# Altium PCB Power_board.PcbDoc (continued)
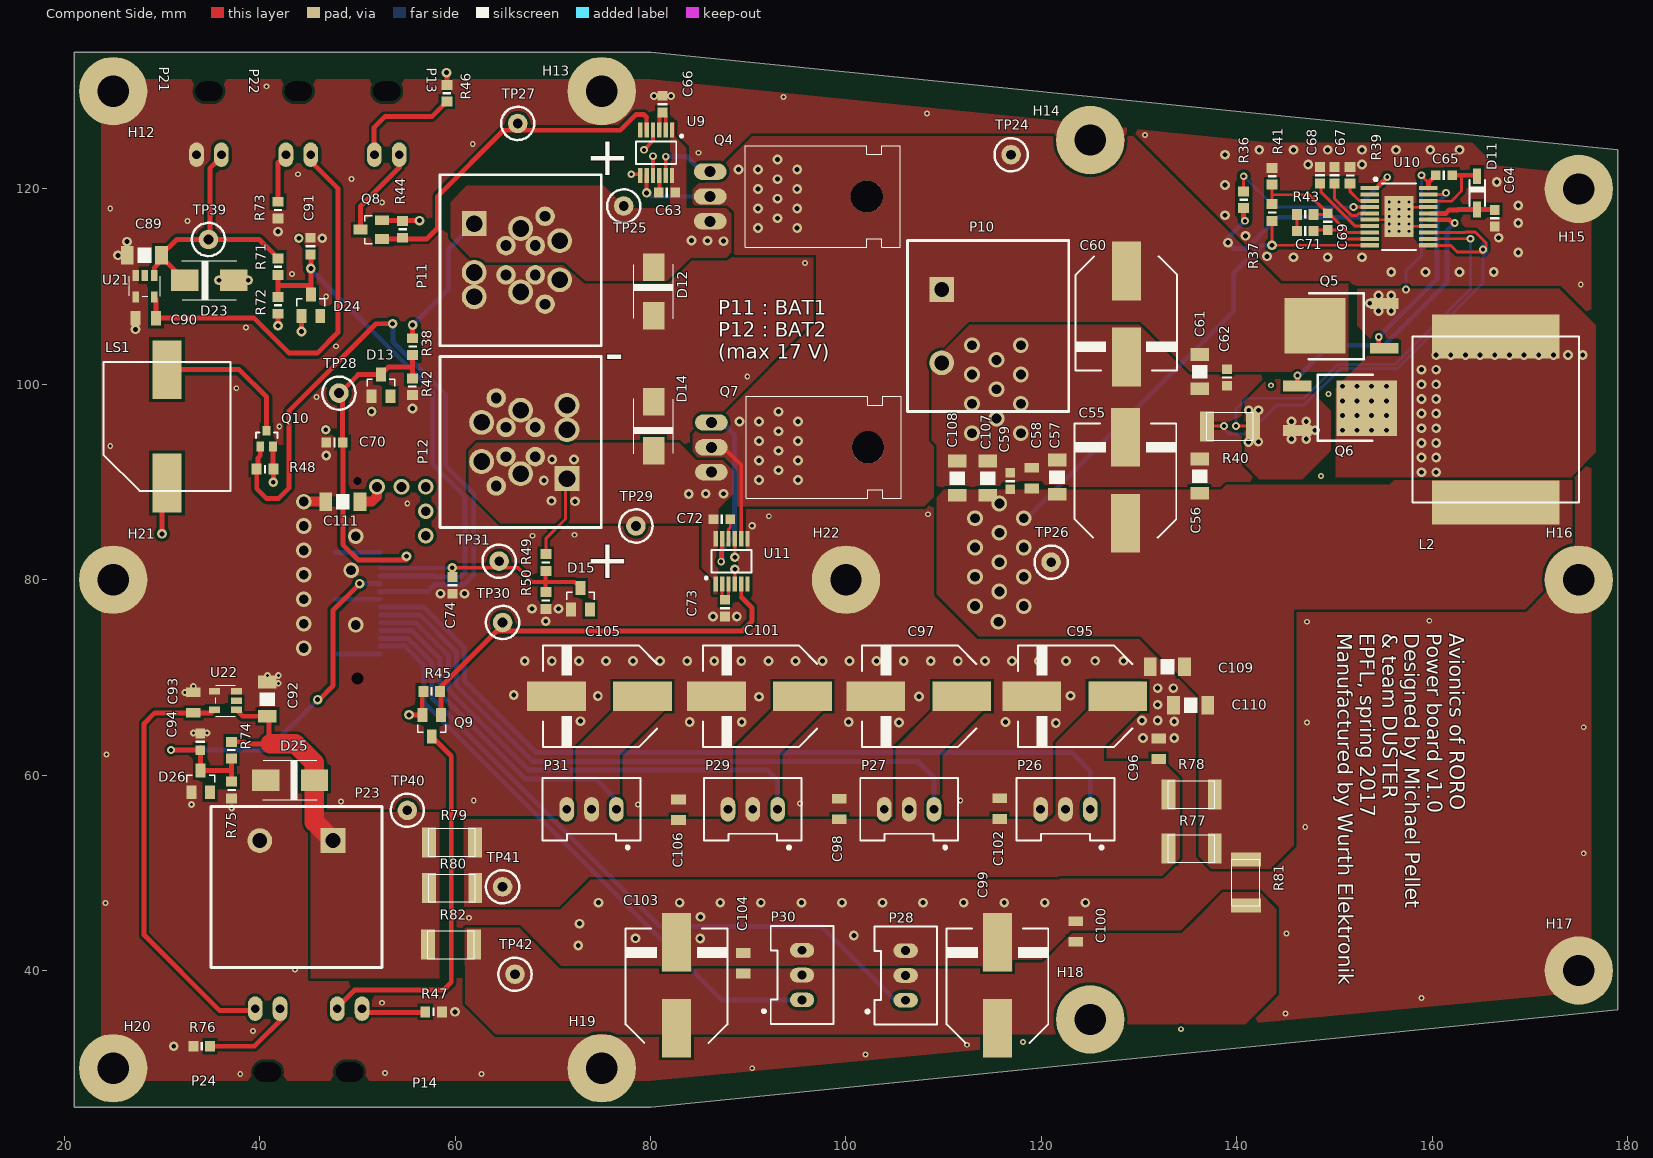
[diagram p0: Component Side view]
## Footprints (in the part's own frame and the unit in brackets; to place one, negate y for a bottom-side part, rotate by r counter-clockwise, add the part's x,y. Pads: shape width x height; smd on the part's side, far side on the other; paste and mask are expansions set on the pad)
0603 [mil]
  rect 40x44 smd: 1(-33.46,0) 2(34,0)
  silkscreen extent -4,-17 5,17, body extent -33,-16 33,16, height 22
2010 [mil]
  rect 56x121 smd: 1(-92.52,0) 2(93,0)
  silkscreen extent -94,-56 94,56, body extent -98,-49 98,49, height 24
61083-043400LF [mm] "Connecteurs carte à carte et mezzanine 6.70MM PLUG 40P"
  round 0 hole 0.8 unplated: 1(-10.1,0)
  rect 0.5x2.7 smd: 1(-7.6,2.3) 2(-7.6,-2.3) 3(-6.8,2.3) 4(-6.8,-2.3) 5(-6,2.3) 6(-6,-2.3) 7(-5.2,2.3) 8(-5.2,-2.3) 9(-4.4,2.3) 10(-4.4,-2.3) 11(-3.6,2.3) 12(-3.6,-2.3) 13(-2.8,2.3) 14(-2.8,-2.3) 15(-2,2.3) 16(-2,-2.3) 17(-1.2,2.3) 18(-1.2,-2.3) 19(-0.4,2.3) 20(-0.4,-2.3) 21(0.4,2.3) 22(0.4,-2.3) 23(1.2,2.3) 24(1.2,-2.3) 25(2,2.3) 26(2,-2.3) 27(2.8,2.3) 28(2.8,-2.3) 29(3.6,2.3) 30(3.6,-2.3) 31(4.4,2.3) 32(4.4,-2.3) 33(5.2,2.3) 34(5.2,-2.3) 35(6,2.3) 36(6,-2.3) 37(6.8,2.3) 38(6.8,-2.3) 39(7.6,2.3) 40(7.6,-2.3)
  round 0 hole 1.2 unplated: 1(10.1,0)
  silkscreen extent -11,-3 11,3.6, body extent -10.9,-3 10.9,3, height 6.65
CAP0603R [mm] "capacitor 0603 reflow soldering"
  rect 1x1 smd: 1(-0.85,0) 2(0.85,0)
  silkscreen extent -0.13,-0.5 0.13,0.5, body extent -0.8,-0.4 0.8,0.4, height 0.3
CAP0805W [mm] "capacitor 0805 wave soldering"
  rect 1x1.5 smd: 1(-1.05,0) 2(1.05,0)
  body extent -1,-0.63 1,0.63, height 0.78
CAP1206W [mm] "capacitor 1206 wave soldering"
  rect 1.3x1.9 smd: 1(-1.75,0) 2(1.75,0)
  silkscreen extent -0.7,-0.8 0.7,0.8, body extent -1.6,-0.8 1.6,0.8, height 1
"CON 2P POWER AND MICROFIT 4P" [mm]
  round 2 hole 1.1: 1(-4.5,2.5) 1(-1.5,1.5) 1(-1.5,-1.5) 2(1.5,1.5) 2(1.5,-1.5) 2(4.5,2.5)
  rect 2.54x2.54 hole 1.7: 1(-3.75,-4.75)
  round 2.54 hole 1.7: 1(-3.25,0) 1(-2,4) 2(1.25,-4.75) 2(2,4) 2(3.25,0) 2(3.75,-4.75)
  silkscreen extent -8.75,-8.25 8.75,8.25, body extent -5.07,-3.97 5.08,4.8, height 9.95
"CON PROV 2P POWER" [mil]
  rect 100x100 hole 60: 1(0,0)
  round 100 hole 60: 2(295.28,0)
  silkscreen extent -197,-138 492,512
"CON_JST_XA_ B03B-XASK" [mm] "Embases Hdr Singl Row 3Ckt 3A"
  oval 1.5x2.5 hole 0.9: 1(-2.54,0) 2(0,0) 3(2.54,0)
  silkscreen extent -5,-3.2 5,4, body extent -5,-3.2 5,3.2, height 8.8
"CON_JST_XA_ S02B-XASS-1" [mm] "Embases Hdr Singl Row 2Ckt 3A"
  oval 1.5x2.5 hole 0.9: 1(-1.27,0) 2(1.27,0)
  round 0 hole 2 slot 2.8 at 0 deg unplated: ""(0,-6.5)
  body extent -3.75,-9.2 3.75,3.4, height 7.6
CT-1205C-SMT [mm]
  rect 3x6 smd: 1(0,5.8) 2(0,-5.8)
  silkscreen extent -6.5,-6.6 6.5,6.6, body extent -6.4,-6.9 6.4,6.9, height 10.1
DO-214AA [mm]
  rect 2.8x2.2 smd: A(2.5,0) C(-2.5,0)
  silkscreen extent -2.8,-2 2.8,2, body extent -2.75,-1.95 2.75,1.95, height 2.45
HOLE_3.2MM#1 [mm]
  round 7 hole 3.2: 0(2.375,1.075)
HOLE_3.2MM#2 [mm]
  round 7 hole 3.2: 0(0,-0.325)
HOLE_3.2MM#3 [mm]
  round 7 hole 3.2: 0(0,-5.075)
HOLE_3.2MM#4 [mm]
  round 7 hole 3.2: 0(-8.3,-9.65)
HOLE_3.2MM#5 [mm]
  round 7 hole 3.2: 0(-0.4,0.2)
HOLE_3.2MM#6 [mm]
  round 7 hole 3.2: 0(-5.4,18.125)
HOLE_3.2MM#7 [mm]
  round 7 hole 3.2: 0(-0.175,4.775)
HOLE_3.2MM#8 [mm]
  round 7 hole 3.2: 0(1.075,0.275)
HOLE_3.2MM#9 [mm]
  round 7 hole 3.2: 0(2.4,7.4)
HOLE_3.2MM#10 [mm]
  round 7 hole 3.2: 0(2.825,3.775)
HOLE_3.2MM#11 [mm]
  round 7 hole 3.2: 0(3.25,2.9)
"HTSSOP 20" [mm]
  rect 0.42x1.9 smd: 1(-2.935,-3) 2(-2.275,-3) 3(-1.614,-3) 4(-0.979,-3) 5(-0.319,-3) 6(0.316,-3) 7(0.977,-3) 8(1.637,-3) 9(2.272,-3) 10(2.932,-3) 11(2.932,3) 12(2.272,3) 13(1.637,3) 14(0.977,3) 15(0.316,3) 16(-0.319,3) 17(-0.979,3) 18(-1.614,3) 19(-2.275,3) 20(-2.935,3)
  round 0.6 hole 0.3: 21(-1.5,1) 21(-1.5,0) 21(-1.5,-1) 21(-0.75,1) 21(-0.75,0) 21(-0.75,-1) 21(0,1) 21(0,0) 21(0,-1) 21(0.75,1) 21(0.75,0) 21(0.75,-1) 21(1.5,1) 21(1.5,0) 21(1.5,-1)
  rect 4.2x3 smd: 21(0,0)
  silkscreen extent -3.97,-2.54 3.4,1.75, body extent -3.27,-3.2 3.23,3.22, height 0.95
IHLP_INDUCTOR [mm]
  rect 13x4.5 smd: 1(0,8.5) 2(0,-8.5)
  silkscreen extent -8.5,-8.5 8.5,8.5, body extent -8.57,-8.64 8.57,8.64, height 4.06
PCV_10X10 [mm] "PCV_10x10"
  rect 3x6 smd: 1(0,4.4) 2(0,-4.4)
  silkscreen extent -5.3,-5.8 5.2,5.9, body extent -5.25,-5.9 5.25,5.9, height 10.3
SOD123 [mil]
  rect 63x32 smd: 1(-66.93,0) 2(67,0)
  silkscreen extent -52,-31 53,31, body extent -73,-32 73,31, height 50
SOT23 [mil]
  rect 40x56 smd: 1(-37.4,-43.31) 2(38,-43.31) 3(0,44)
  silkscreen extent -56,-3 56,26, body extent -59,-59 59,59, height 51
SOT-23-5 [mil]
  rect 26x44 smd: 1(-37.4,-43.31) 2(0,-43.31) 3(38,-43.31) 4(38,44) 5(-37.4,44)
  silkscreen extent -62,-39 63,40, body extent -59,-49 59,49, height 44
SOT-323-3 [mm]
  rect 0.8x1 smd: 1(-0.65,-0.8) 2(0.65,-0.8) 3(0,0.8)
  silkscreen extent -1.1,0.05 1.1,0.6, body extent -1.1,-1.12 1.1,1.12, height 1.1
TO220 [mil]
  oval 66x132 hole 44: 1(-100,-190.94) 2(0,-190.94) 3(100,-190.94)
  round 130 hole 130: 2(0,440)
  silkscreen extent -205,-50 205,575, body extent -200,-201 200,567, height 165
TO252 [mm]
  rect 5.7x6.2 smd: D(0,2.6)
  rect 1.1x2.9 smd: G(-2.286,-4.5) S(2.286,-4.5)
  silkscreen extent -3.42,-2.4 3.32,3.22, body extent -3.31,-5.15 3.26,4.55, height 2.3
TP [mm]
  round 2 hole 1: 1(0,0)
  silkscreen extent -1.7,-1.7 1.7,1.7
TSOP612 [mm] "TSOP, 12-Leads, Body 4.00x3.00mm, Pitch 0.65mm, IPC Low Density"
  rect 1.55x0.44 smd: 1(-2.325,1.625) 2(-2.325,0.975) 3(-2.325,0.325) 4(-2.325,-0.325) 5(-2.325,-0.975) 6(-2.325,-1.625) 7(2.325,-1.625) 8(2.325,-0.975) 9(2.325,-0.325) 10(2.325,0.325) 11(2.325,0.975) 12(2.325,1.625)
  silkscreen extent -1.82,-2.05 1.15,2.73, body extent -2.45,-2.02 2.45,2.02, height 1.1

## Part data
C55 C60 C95 C97 C99 C101 C103 C105: library part C_pol_470uF_elec, "Polarized Capacitor"
C56 C57 C61 C89 C92 C107 C108 C109 C110 C111: library part C_47uF_25v_1206, "Capacitor"
C58 C96 C98 C100 C102 C104 C106: library part C_10uF_16v, "Capacitor"
C59 C62 C63 C66 C70 C72 C73 C74 C91 C94: library part C_100nF, "Capacitor"
C64 C65: library part C_1uF_50v, "Capacitor"
C67: library part C_560pF_50V, "Capacitor"
C68 C71: library part C_10nF, "Capacitor"
C69: library part C_82pF_50V, "Capacitor"
C90 C93: library part C_4.7uF_16v, "Capacitor"
D12 D14 D23 D25: library part DZ_20V, "Zener Diodes 5W 20V"
D13 D15 D24 D26: library part DZ_3V6_MMBZ522, "Zener Diodes 3.6V 225mW"
L2: library part L_3.3uH, "Inductor"
LS1: library part Buzzer_CT-1205C-SMT-TR, "Magnetic Transducer Buzzer 5VDC"
P10 P23: "Juste pour tester!!!"
P11 P12: library part "MicroFit and other Headers 2p"
P13 P14 P21 P22 P24: library part "Header 2p JST XA 3A right angle", "Header 2p JST XA 3A right angle"
P25: "Connecteurs carte à carte et mezzanine PLUG 40P"
Q4 Q7: library part MOSFET_IPP029N06NAKSA1
Q5 Q6: library part MOSFET_DMTH4007LK3-13
Q8 Q9: library part "MOSFET_P_ 20V_1.5A", "MOSFET 40V P-channel Trench MOSFET SOT-23-3"
Q10: library part "MOSFET_N_ 20V_1.4A", "MOSFET N-Ch 20V 1.4A SOT-323-3"
R36 R38 R49 R71 R74: library part R_0603_01W_10K, "0.1W 10K"
R37 R43: library part R_0603_01W_6K2, "0.1W 6K19"
R39 R44 R45 R48: library part R_0603_01W_18K7, "0.1W 18K7"
R40 R77 R78 R79 R80 R81 R82: library part R_2010_2W_3mOhm, "2W 3mOhm"
R41 R42 R50 R72 R75: library part R_0603_01W_2K, "0.1W 2K"
R46 R47 R73 R76: library part R_0603_025W_22Ohm, "0.25W 22Ohm"
U10: "WIDE RANGE SYNC BUCK"
U21 U22: "LDO 5V 150mA"

## Via types
v1: diameter 1, hole 0.5, Component Side to Solder Side, 221 vias
v2: diameter 0.6, hole 0.3, Component Side to Solder Side, 58 vias
v3: diameter 1.6, hole 1, Component Side to Solder Side, 39 vias
v4: diameter 0.8, hole 0.4, Component Side to Solder Side, 23 vias
v5: diameter 0.7, hole 0.3, Component Side to Solder Side, 9 vias

## Nets (pads, with @x,y where several pads share a name; then routed paths per layer and width w, separated by ;. In a path a pad name is that pad's centre, name@x,y a point inside that pad or via, vN(x,y) a via of type N, cw(c..) or ccw(c..) an arc to the next point about the centre after c; other vN are vias at no path point)
+5V: C55.1 C56.2 C57.2 C58.2 C59.2 C107.2 C108.2 C109.2 C110.2 C111.2 L2.2 LS1.1 P25.2 P25.4 P25.6 P25.8 P25.10 P25.12 Q8.2 Q9.2 R37.2 R44.2 R45.2 R77.2 R78.2 R81.2 TP26.1 U10.10 | length 68.2
  Component Side w0.3: Q8.2 52.535,116.8 Q8.2@52.585,116.75 ; R45.2@56.635,68.473 R45.2 ; R37.2 v1(143.6,114.233) U10.10
  Component Side w0.5: v1(30,84.7) 30,89.4 LS1.1 ; Q8.2@52.585,116.75 v1(56.35,116.75) ; v1(55.275,66.175) Q9.2 R45.2@56.635,68.473
  Component Side w1: C111.2 51.5,88 52,88.5 v3(52,89.5)
  Solder Side w0.5: v3@118,85.8 139.64,107.44 139.64,111.34 142.533,114.233 v1(143.6,114.233)
  other v3: 115.6,75.7 113.2,77.3 118.2,77.3 115.7,78.8 113.2,80.3 118.2,80.3 115.7,81.8 113.2,83.3 118.2,83.3 57,84.5 115.7,84.8 113.2,86.3 118.2,86.3 57,87 115.7,87.8 54.5,89.5 57,89.5
GND: C55.2 C56.1 C57.1 C58.1 C59.1 C60.2 C61.1 C62.1 C64.1 C66.1 C67.1 C68.1 C70.1 C73.1 C74.1 C89.1 C90.1 C91.1 C92.1 C93.1 C94.1 C95.2 C96.1 C97.2 C98.1 C99.2 C100.1 C101.2 C102.1 C103.2 C104.1 C105.2 C106.1 C107.1 C108.1 C109.1 C110.1 C111.1 D12.A D13.1 D14.A D15.1 D23.A D24.1 D25.A D26.1 H12.0 H13.0 H14.0 H15.0 H16.0 H17.0 H18.0 H19.0 H20.0 H21.0 H22.0 P10.2 P11.2 P12.2 P21.2 P23.2 P25.1 P25.3 P25.5 P25.7 P25.9 P25.11 P25.13 P25.14 P25.15 P25.17 P25.19 P25.21 P25.23 P25.25 P25.26 P25.27 P25.29 P25.31 P25.33 P25.35 P25.37 P25.39 P25.40 P26.3 P27.3 P28.3 P29.3 P30.3 P31.3 Q10.2 R39.1 R40.1 R41.1 R42.1 R46.1 R47.1 R48.1 R50.1 R72.1 R73.1 R75.1 R76.1 U9.4 U9.7 U9.9 U10.6 U10.11 U10.13 U10.14 U10.17 U10.21 U11.4 U11.7 U11.9 U21.3 U21.4 U22.3 U22.4 | length 102.5
  Component Side w0.254: U10.6 156.316,116.849 156.6,116.565 U10.21@156.6,117.165 ; U10.21@157.972,115.528 157.718,115.782 157.312,116.188 U10.21@157.577,116.188 ; U10.14 U10.21@157.577,116.188 ; U10.17 157.579,118.144 U10.21@156.6,117.165 ; U10.21@156.6,117.165 U10.21@157.577,116.188
  Component Side w0.3: U11.4 v1(88.625,81.075) ; v1(88.625,82.3) U11.9 ; R40.1@136.95,95.75 v4(138.7,95.75) ; U10.11 159.633,114.2 161.9,114.2 162.575,113.525 164.925,113.525 v4(165.2,113.8) ; U10.13 163.328,115.528 163.4,115.6 164.4,115.6 165.525,114.475 v4@165.525,113.8 ; 165.1,113.4 165.2,113.5 v4@165.2,113.6 ; v4@165.2,113.6 165.3,113.5 165.525,113.725 v4@165.525,113.8 ; v4@165.2,113.6 v4(165.2,113.8) ; v4(165.2,113.8) v4@165.525,113.8
  Component Side w0.4: R50.1@69.225,77.25 69.45,77.025 R50.1 ; v4(78.025,121.5) U9.7@78.95,121.5 ; v4(79.325,124) 80.25,124.925 U9.4 U9.4@80.25,126.15 ; U9.9@80.25,121.5 v4(80.25,123.35)
  Component Side w0.5: v1(35.825,110.65) D23.A v1(38.825,110.65) ; Q10.2 41.35,91.375 R48.1 41.4,90 v1(41.375,89.975) ; v1(41.875,106) R72.1 ; v1(44,114.95) v1@44.05,115 ; v1(44.275,105.4) D24.1 ; v1(46.75,95.35) v1@46.8,95.3 ; v1(59.125,131.9) 59.15,131.875 R46.1
  Component Side w1: v3(44.5,88) C111.1
  Solder Side w0.3: v4(138.7,95.75) 138.7,95.42 139.22,94.9 141.1,94.9 144.1,97.9 146.9,97.9 150.6,101.6 156.4,101.6 165.2,110.4 165.2,113.1 165.6,113.5 165.6,114 165.5,114.1 165.2,114.4 v4(165.2,113.8)
  Solder Side w0.5: P25.39 P25.40 ; P25.25 P25.26 ; P25.13 P25.14
  other v1: 31.2,32.25 59.975,35.775 72.6,42.575 85.075,43.275 78.45,43.3 100.8,43.6 72.725,44.8 85.1,45.5 74.675,46.95 82.979,46.95 87.131,46.95 91.283,46.95 95.435,46.95 99.587,46.95 103.738,46.95 107.89,46.95 112.042,46.95 116.194,46.95 120.346,46.95 124.498,46.95 130.4,63.8 133.6,63.8 121.475,65.35 105.425,65.4 84,65.45 89.325,65.45 100.275,65.45 116.325,65.45 133.6,65.5 72.825,65.525 130.3,65.6 131.9,65.6 131.9,67.2 91.1,68.025 107.475,68.05 74.6,68.1 122.975,68.125 66,68.2 131.9,68.9 133.5,68.9 67.125,71.675 69.895,71.675 72.665,71.675 75.435,71.675 78.205,71.675 80.975,71.675 83.745,71.675 86.515,71.675 89.285,71.675 92.055,71.675 94.825,71.675 97.595,71.675 100.365,71.675 103.135,71.675 105.905,71.675 108.675,71.675 111.445,71.675 114.215,71.675 116.985,71.675 119.755,71.675 122.525,71.675 125.5,71.7 128.4,71.7 69.275,75.75 86.4,76.25 88.825,76.25 67.85,77.025 70.575,77.025 58.5,78.575 60.95,78.575 46.8,92.725 51.45,97.225 55.625,97.525 27.275,105.625 155.8,111.5 159.3,111.5 162.8,111.5 166.3,111.5 145.8,113 149.3,113 152.8,113 143.1,113.1 25.5,113.2 168.8,113.5 26.4,114.6 46.4,114.95 166.8,115 140.9,115.2 41.875,115.625 168.8,116.5 138.8,117.3 168.8,118.3 138.8,120.4 166.6,120.7 147.3,122.5 152.8,122.5 138.8,123.5 142.3,124 145.8,124 149.3,124 152.8,124 156.3,124 159.8,124 162.8,124
  other v2: 38,29.4 62.7,29.4 52.8,29.5 90.4,30 102,31.4 112.4,32.4 118.1,32.7 39.3,33.8 134.3,34 145,35.6 52.5,36.7 158.9,37.2 43.6,40.1 145.1,43.8 61.4,45.4 24.2,46.9 175.5,52 147,54.7 78.7,57 95.3,57.1 48.3,57.3 61.9,57.4 111.7,57.4 24.3,62.1 175.5,64.9 147.2,65.4 147.2,75.7 159.7,75.8 67.9,84.5 72.2,84.6 92.1,86.5 108.4,86.7 55.1,87.8 148.6,90.6 24.7,93.7 42,95.7 45.8,98.7 149.4,99 37.6,99.6 143.5,99.9 89.9,100.8 47.8,103.9 38.6,105.8 46.8,109 175.2,110.2 43.3,111.3 95.8,112.4 32.6,116.7 24.7,118 52.5,118.6 49.4,121 43.9,121.5 84.9,123.7 61.8,124.6 130.6,125.5 108.3,127.7 93.6,129.4 40.7,130.5
  other v3: 44.5,73 49.825,75.375 44.5,75.5 44.5,78 44.5,80.5 49.35,80.975 44.5,83 49.825,84.45 44.5,85.5 112.9,95 117.9,95 115.4,96.5 112.9,98 117.9,98 115.4,99.5 112.9,101 117.9,101 115.4,102.5 112.9,104 117.9,104
  other v4: 90.4,85.525 80.35,129.525 82.075,129.525
  other v5: 37.125,56.625 33,57 33.2,64.3 34.6,64.3 32.325,68.475 33.2,69.1 41.9,69.4 40.775,70.2 41.9,70.2
NetC60_1: C60.1 C61.2 C62.2 P10.1 Q4.2 Q5.D Q7.2 R36.2 TP24.1 U9.8 U10.1 U11.8 | length 50.5
  Component Side w0.3: Q7.2@84.875,93.55 Q7.2@86.225,93.55 ; U10.1 154.3,120.1 U10.1@154.5,120.3
  Component Side w0.4: v1(79.6,119.6) U9.8 U9.8@79.6,121.5 ; Q4.2@86.1,119.225 Q4.2@87.15,119.225 ; Q7.2@86.225,93.55 87.475,93.55 89.275,91.75 U11.8@89.275,83.925
  Component Side w0.5: Q4.2@85.05,119.225 Q4.2@86.1,119.225 ; R36.2 140.7,116.888 v4(140.852,116.736) ; U10.1@154.5,120.3 v4(155.4,121.2)
  Solder Side w0.4: v1(79.6,119.6) 79.975,119.225 Q4.2@86.1,119.225
  Solder Side w0.5: v4(140.852,116.736) 139.1,114.985 v1(139.1,114.5) 139.7,113.9 141,113.9 144.2,117.1 152.5,117.1 153,117.6 153,118.8 v4(155.4,121.2)
  other v1: 91.1,90.2 95.1,90.2 93.1,91.2 91.1,92.2 95.1,92.2 93.1,93.2 91.1,94.2 95.1,94.2 93.1,95.2 89.1,96.2 91.1,96.2 95.1,96.2 93.1,97.2 91,116 95,116 93,117 91,118 95,118 93,119 91,120 95,120 93,121 89,122 91,122 95,122 93,123
NetC63_2: C63.2 U9.10 | length 1.9
  Component Side w0.4: C63.2 80.9,119.7 U9.10 U9.10@80.9,121.5
NetC64_2: C64.2 D11.2 U10.16 | length 6.8
  Component Side w0.5: U10.16@159.8,117.5 161.4,117.5 161.75,117.85 162.6,117.85 162.648,117.898 D11.2 166.352,117.898 C64.2
NetC65_1: C65.1 L2.1 Q5.S Q6.D U10.20 | length 15
  Component Side w0.3: v4(158.9,121.4) 158.9,121.35 159.6,120.65
  Component Side w0.5: U10.20 159.6,120.65 C65.1
  Solder Side w0.3: v4(157.3,109.7) 157.3,111.6 158.9,113.2 v4(158.9,121.4)
  other v1: 158.9,91 160.4,91 158.9,92.5 160.4,92.5 158.9,94 160.4,94 150.8,95.3 152.3,95.3 153.8,95.3 155.3,95.3 158.9,95.5 160.4,95.5 150.8,96.8 152.3,96.8 153.8,96.8 155.3,96.8 158.9,97 160.4,97 150.8,98.3 152.3,98.3 153.8,98.3 155.3,98.3 158.9,98.5 160.4,98.5 150.8,99.8 152.3,99.8 153.8,99.8 155.3,99.8 158.9,100 160.4,100 158.9,101.5 160.4,101.5 160.4,103 161.9,103 163.4,103 164.9,103 166.4,103 167.9,103 169.4,103 170.9,103 172.4,103 173.9,103 175.4,103 154.5,107.5 155.8,107.5 153.6,108.3 154.5,109.1 155.8,109.1
NetC65_2: C65.2 D11.1 U10.18 | length 8.1
  Component Side w0.3: U10.18 159.639,118.74 161.96,118.74 163,119.78 163,121.4
  Component Side w0.5: C65.2 163,121.4 164.5,121.4 D11.1
NetC66_2: C66.2 U9.2 U9.3 | length 3.6
  Component Side w0.4: U9.3@80.9,126.15 80.9,127.5 C66.2 81.55,127.5 U9.2@81.55,126.15
NetC67_2: C67.2 U10.5 | length 6
  Component Side w0.3: C67.2@150.2,120.55 150,120.35 150,119 151.7,117.3 152.3,117.3 152.484,117.484 U10.5
NetC68_2: C68.2 U10.7 | length 7.3
  Component Side w0.3: C68.2@148.6,120.55 148.6,119.7 152.112,116.188 U10.7
NetC69_1: C69.1 R37.1 R41.2 R43.2 U10.8 | length 15.1
  Component Side w0.3: R37.1 143.6,119.4 ; R41.2 143.6,119.4 ; R43.2 149.2,117.4 C69.1 ; U10.8 151.372,115.528 149.4,117.5 C69.1 ; 143.6,119.4 147.4,119.4 C69.1
NetC69_2: C69.2 C71.2 U10.9 | length 6.2
  Component Side w0.3: C71.2 147.95,115.8 C69.2 150.3,115.8 151.207,114.893 U10.9
NetC70_2: C70.2 D13.3 P25.16 R38.1 R42.2 TP28.1 | length 36.8
  Component Side w0.5: v1(55.025,82.4) 55.025,82.049 55.049,82.025 50.05,82.025 48.5,83.575 C70.2 48.475,94.075 48.475,99.4 50.068,100.993 D13.3 53.1,101.693 53.1,101.7 53.175,101.775 55.65,101.775 ; R38.1 55.65,101.775 ; R42.2@55.675,100.639 55.65,100.664 55.65,101.775
  Solder Side w0.5: P25.16 54.625,82 v1(55.025,82.4)
NetC71_1: C71.1 R43.1 | length 1.7
  Component Side w0.3: C71.1 R43.1
NetC72_2: C72.2 U11.10 | length 2.3
  Component Side w0.3: U11.10@87.975,83.925 87.975,85.175 88.15,85.35 C72.2
NetC73_2: C73.2 U11.2 U11.3 | length 3
  Component Side w0.3: U11.2 87.325,78.25 C73.2 ; C73.2@87.975,78.275 U11.3
NetC74_2: C74.2 D15.3 P25.18 R49.1 R50.2 TP31.1 | length 24.2
  Component Side w0.4: C74.2 59.725,81.2 v1(59.7,81.225) 66.425,81.225 67.875,79.775 69.25,79.775 ; R49.1@69.25,80.575 69.25,79.775 ; R50.2 69.25,78.764 69.25,79.775 ; D15.3 72.218,79.775 69.25,79.775
  Solder Side w0.4: P25.18 59.675,81.2 v1(59.7,81.225)
NetC90_2: C90.2 P22.1 U21.5 | length 42.6
  Component Side w0.5: U21.5 29.375,108.757 C90.2 39.425,106.775 43,103.2 45.9,103.2 48,105.3 48,120.07 45.22,122.85 P22.1
NetC91_2: C91.2 D24.3 P25.20 R71.1 R72.2 | length 56.3
  Component Side w0.5: R72.2 41.875,110.1 ; R71.1 41.875,110.1 ; C91.2 45.225,113.275 v1(45.225,111.85) 45.225,110.1 ; D24.3 45.225,110.1 ; 41.875,110.1 45.225,110.1
  Solder Side w0.5: v1@45.175,111.8 57.7,99.275 57.7,91.834 61,88.534 61,80.725 60.575,80.3 58.125,80.3 58.025,80.4 P25.20
NetC93_2: C93.2 P24.1 U22.5 | length 44.3
  Component Side w0.5: U22.5 35.082,66.375 C93.2 29.25,66.375 28.15,65.275 28.15,43.65 35.9,35.9 P24.1@39.83,35.9
NetC94_2: C94.2 D26.3 P25.22 R74.1 R75.2 | length 44
  Component Side w0.5: v4(30.925,62.575) 33.675,62.575 33.95,62.85 D26.3 37.125,60.468 ; R74.1 37.125,61.675 37.125,60.468 ; R75.2 37.125,60.468 ; v1(45.925,67.725) 46.075,67.725 47.5,69.15 47.5,76.875 v1(50.225,79.6)
  Solder Side w0.5: v4(30.925,62.575) 40.775,62.575 v1(45.925,67.725) ; v1(50.225,79.6) P25.22
NetC95_1: C95.1 C96.2 C97.1 C98.2 C101.1 C102.2 C105.1 C106.2 P26.2 P27.2 P29.2 P31.2 R77.1 R78.1 R79.1 R80.1 TP41.1
NetC99_1: C99.1 C100.2 C103.1 C104.2 P28.2 P30.2 R81.1 R82.1 TP42.1
NetLS1_2: LS1.2 Q10.3 | length 14.8
  Component Side w0.5: LS1.2 37.9,101.5 40.7,98.7 Q10.3
NetP13_1: P13.1 Q8.3 | length 9.7
  Component Side w0.5: Q8.3@50.125,116.007 Q8.3 50.307,118.207 54.3,122.2 P13.1@54.3,123.6
NetP13_2: P13.2 R46.2 | length 11.2
  Component Side w0.5: P13.2@51.7,123.67 51.7,126.3 52.8,127.4 57.614,127.4 R46.2
NetP14_1: P14.1 Q9.3 | length 38.8
  Component Side w0.5: P14.1@47.865,36.165 49.7,38 58.8,38 59.6,38.8 59.6,61.957 Q9.3
NetP14_2: P14.2 R47.2 | length 6.5
  Component Side w0.5: P14.2@50.47,35.725 56.886,35.725 R47.2
NetP22_2: P22.2 R73.2 | length 5.1
  Component Side w0.5: R73.2 41.875,122.695 P22.2
NetP24_2: P24.2 R76.2 | length 9.6
  Component Side w0.5: R76.2 39.45,32.25 42.5,35.3 P24.2@42.5,36.1
NetP25_24: P25.24 Q10.1 R48.2 | length 70.4
  Component Side w0.5: R48.2@39.65,91.289 R48.2 ; Q10.1 40.05,92.7 39.8,92.45 39.8,91.439 R48.2 ; v1(53.6,106.2) 51.9,106.2 43,97.3 43,89.4 41.9,88.3 40.7,88.3 39.686,89.314 R48.2
  Solder Side w0.5: P25.24 57.2,78.8 57.925,79.525 60.925,79.525 61.9,80.5 61.9,88.8 59,91.7 59,98.975 53.65,104.325 v1@53.65,106.3
NetP25_28: P25.28 P26.1 | length 85.5
  Solder Side w0.5: P25.28@52.375,77.2 56.775,77.2 60.95,73.025 60.95,69.65 68.275,62.325 123.085,62.325 125,60.41 P26.1
NetP25_30: P25.30 P27.1 | length 68.8
  Solder Side w0.5: P25.30@52.375,76.4 56.375,76.4 60.125,72.65 60.125,69.2 67.925,61.4 107.37,61.4 109,59.77 P27.1
NetP25_32: P25.32 P29.1 | length 51.8
  Solder Side w0.5: P25.32@52.375,75.6 55.975,75.6 59.3,72.275 59.3,68.75 67.525,60.525 91.935,60.525 93,59.46 P29.1@93,57
NetP25_34: P25.34 P31.1 | length 33.4
  Solder Side w0.5: P25.34@52.375,74.8 55.575,74.8 58.45,71.925 58.45,68.325 67.15,59.625 74.375,59.625 P31.1@76.5,57.5
NetP25_36: P25.36 P28.1 | length 71.3
  Solder Side w0.5: P25.36 55.15,74 57.625,71.525 57.625,67.875 81,44.5 97.5,44.5 105.04,36.96 P28.1
NetP25_38: P25.38 P30.1 | length 60.4
  Solder Side w0.5: P25.38 54.875,73.2 56.8,71.275 56.8,67.45 87.25,37 P30.1
NetQ4_1: Q4.1 U9.11 | length 7.6
  Component Side w0.4: U9.11@81.55,121.5 v4(81.55,123.3)
  Solder Side w0.4: Q4.1 Q4.1@86.685,121.765
  Solder Side w0.5: v4(81.55,123.3) 83.727,123.3 85.262,121.765 Q4.1
NetQ5_G: Q5.G U10.19 | length 21.2
  Component Side w0.3: U10.19 161.54,119.44 161.4,119.579 v4(161.4,119.6)
  Component Side w0.5: v4(154.525,104.85) 154.525,103.939 Q5.G@154.869,103.594
  Solder Side w0.5: v4(154.525,104.85) 160.5,110.825 160.5,118.5 161.5,119.5 v4(161.4,119.6)
NetQ6_G: Q6.G U10.15 | length 29.6
  Component Side w0.5: Q6.G v4(146.2,100.9) ; U10.15 161.751,116.849 162.1,116.5 v4(162.3,116.5)
  Solder Side w0.5: v4(146.2,100.9) 146.4,100.9 149.5,104 155.1,104 161.5,110.4 161.5,115.7 v4(162.3,116.5)
NetQ6_S: Q6.S R40.2 U10.12 | length 42
  Component Side w0.3: v4(139.9,95.75) R40.2@141.662,95.75 ; U10.12 159.607,114.9 v4(163.9,114.9)
  Solder Side w0.3: v4(139.9,95.75) 139.9,97.421 141.055,98.575 146.875,98.575 150.35,102.05 156.214,102.05 163.9,109.736 v4(163.9,114.9)
  other v1: 141.2,94.1 142.2,94.125 145.6,94.4 147.1,94.4 148,95.3 145.6,96.2 147.1,96.2 141.225,97.35 142.225,97.35
NetQ7_1: Q7.1 U11.11 | length 19.7
  Component Side w0.4: v4(87.225,81.85) 87.225,82.8 ; v4@87.325,81.9 U11.11@87.325,84.1
  Solder Side w0.5: Q7.1 87.31,96.09 88.575,94.825 88.575,84.375 87.3,83.1 ; v4@87.3,81.875 87.3,83.1 ; 87.3,83.275 87.3,83.1
NetQ8_1: Q8.1 R44.1 TP27.1 U9.5 | length 35.8
  Component Side w0.4: U9.5 79.6,127.325
  Component Side w0.5: Q8.1 R44.1@54.625,114.875 ; R44.1 R44.1@54.625,114.875 ; 79.6,127.325 79.325,127.6 78.5,127.6 76.9,126 64.95,126 58.2,119.25 58.2,116 57.075,114.875 R44.1@54.625,114.875
NetQ9_1: Q9.1 R45.1 TP30.1 U11.5 | length 41.9
  Component Side w0.4: 89.275,78.2 U11.5
  Component Side w0.5: R45.1 R45.1@58.55,68.475 ; Q9.1 R45.1@58.55,68.475 ; 89.3,78.2 90.375,77.125 90.375,75.75 89.375,74.75 64.25,74.75 58.55,69.05 R45.1@58.55,68.475
NetR36_1: R36.1 U10.4 | length 15.8
  Component Side w0.3: R36.1 v4(140.7,121.3) ; v4(151.956,118.144) U10.4
  Solder Side w0.3: v4(140.7,121.3) 143.856,118.144 v4(151.956,118.144)
NetR39_2: R39.2 U10.3 | length 3.2
  Component Side w0.3: R39.2 151.6,119.7 152.496,118.804 153.6,118.804 U10.3
V_SERVOS: C92.2 D25.C P23.1 R74.2 R79.2 R80.2 R82.2 TP40.1 U22.1 | length 24.5
  Component Side w0.5: R74.2 38.361,63.414 38.575,63.2 41.075,63.2 40.95,63.325 C92.2@40.95,66.025 ; U22.1 38.25,66.025 C92.2
  Component Side w2: 41.075,63.2 43.65,63.2 45.6,61.25 D25.C 45.6,55.2 P23.1
VBAT1: C63.1 D12.C P11.1 Q4.3 R38.2 TP25.1 U9.1 U9.12 | length 14.3
  Component Side w0.5: R38.2 v1(55.65,106.075)
  Solder Side w0.5: v1(55.65,106.075) 59.3,109.725 59.3,113.8 P11.1@61.95,116.45
  other v1: 87.475,114.65 85.825,114.7 84.175,114.725
VBAT2: C72.1 D14.C P12.1 Q7.3 R49.2 TP29.1 U11.1 U11.12 | length 9.3
  Component Side w0.3: R49.2 69.275,84.2 71.3,86.225 P12.1@71.3,90.2 ; Q7.3 Q7.3@87.135,91.01
  other v1: 72.25,88.025 69.85,88.075 83.9,88.775 85.65,88.8 87.45,88.8 69.075,90.15 69.925,92.3 72.175,92.3
VBAT3: C89.2 D23.C P21.1 R71.2 TP39.1 U21.1 | length 28.4
  Component Side w0.5: U21.1 29.2,111.925 29.875,112.6 C89.2@29.875,113.1 ; D23.C C89.2@29.875,113.1 ; P21.1@35.55,123.6 35.55,122.75 34.9,122.1 34.9,114.975 TP39.1 ; R71.2 39.939,114.825 TP39.1 ; C89.2@29.875,113.1 29.875,113.2 31.5,114.825 TP39.1
pads on no net: D13.2 D15.2 D24.2 D26.2 P13. P14. P21. P22. P24. U9.6 U10.2 U11.6 U21.2 U22.2

## Polygon pours and split planes (outlines as drawn)
GND on Component Side "GND_L01_P098" (solid, pour order 98): 80.717,112.3 61.6,112.3 59.8,110.5 59.8,97.2 62.3,94.7 82.05,94.7 85.95,98.6 87.15,99.8 87.15,105.825 85.425,107.55
NetC65_1 on Component Side "NETC65_1_L01_P092" (solid, pour order 92): 152.3,109.8 152.3,106 153.6,104.7 156.5,104.7 156.7,104.5 156.7,102.9 153.4,102.9 150.1,99.6 150.1,90.5 161.225,90.5 174.2,90.5 176.75,93.05 176.75,106.05 173,109.8
GND on Component Side "GND_L01_P082" (solid, pour order 82): 117.1,73.1 130,73.1 135.3,67.8 135.3,63.6 134.4,62.7 130.6,62.7 129.9,63.4 129.9,66.3 126.4,69.8 119.8,69.8 116.8,72.8
GND on Component Side "GND_L01_P034" (solid, pour order 34): 73.225,41.125 71.8,42.55 71.8,46.25 74.375,48.825 124.475,48.825 125.5,47.8 125.5,46.6 120.025,41.125
V_SERVOS on Component Side "V_SERVOS_L01_P032" (solid, pour order 32): 58.375,56.2 58.375,39.2 45.2,39.2 45.2,55.4 46,56.2
GND on Component Side "GND_L01_P030" (solid, pour order 30): 68.994,55.981 64.925,60.05 64.925,71.025 66.95,73.05 123,73.05 124.6,71.45 124.6,59.675 120.882,55.957
NetC95_1 on Component Side "NETC95_1_L01_P026" (solid, pour order 26): 108.95,69.45 108.95,66.7 105.075,62.825 105.075,53.9 109.575,53.9 109.575,62.15 114.625,67.2 114.625,69.45
NetC95_1 on Component Side "NETC95_1_L01_P024" (solid, pour order 24): 92.6,69.5 92.6,66.75 88.725,62.875 88.725,54.7 93.225,54.7 93.225,62.2 98.275,67.25 98.275,69.5
NetC95_1 on Component Side "NETC95_1_L01_P020" (solid, pour order 20): 76.225,69.375 76.225,66.625 72.35,62.75 72.35,54.5 76.85,54.5 76.85,62.075 81.9,67.125 81.9,69.375
NetC95_1 on Component Side "NETC95_1_L01_P018" (solid, pour order 18): 60.925,46.525 70.65,46.525 73.725,49.6 121.7,49.6 126.375,54.275 126.375,62.9 130.275,66.8 130.275,69.6 124.95,69.6 124.95,66.775 121.475,63.3 121.475,55.975 121,55.5 60.897,55.5
VBAT2 on Component Side "VBAT2_L01_P014" (solid, pour order 14): 86.9,78.5 86.9,88.1 86.525,88.475 85.575,88.475 85.225,88.125 85.225,81.25 86.425,80.05 86.425,78.5
VBAT2 on Component Side "VBAT2_L01_P012" (solid, pour order 12): 61.4,89 64.6,85.8 85.475,85.8 88.475,88.8 88.475,91.15 87.375,92.25 84.675,92.25 82.925,94 62.2,94 61.4,93.2
GND on Component Side "GND_L01_P006" (solid, pour order 6): 138.1,98 138.1,92.8 136.95,91.65 111.45,91.65 108.8,94.3 108.8,102.2 112.675,106.075 130.025,106.075 135.8,100.3 139.5,100.3 139.5,99.4
+5V on Component Side "+5V_L01_P004" (solid, pour order 4): 145.7,89.2 110.03,89.2 109.3,88.432 109.3,78.5 113.6,74.2 130.7,74.2
NetQ6_S on Component Side "NETQ6_S_L01_P002" (solid, pour order 2): 143.1,100.5 146.4,100.5 149.6,97.3 149.6,93.2 146.7,90.3 142.3,90.3 140.8,91.8 140.8,98.2
NetC99_1 on Component Side "NETC99_1_L01_P036" (solid, pour order 36): 61,44.375 66.55,44.375 70.725,40.2 127.725,40.2 129.9,38.025 129.9,36.5 126.875,33.475 64.175,33.475 61.025,36.625
VBAT1 on Component Side "VBAT1_L01_P038" (solid, pour order 38): 59.55,118.65 61.2,120.3 75.2,120.3 77.5,118 87.75,118 88.275,117.475 88.275,113.525 87.725,112.975 84.1,112.975 81.725,110.6 73.3,110.6 71.176,112.5 62.05,112.5 59.55,115
VBAT1 on Component Side "VBAT1_L01_P040" (solid, pour order 40): 82,126.8 82,117.35 82.375,116.975 83.325,116.975 83.675,117.325 83.675,124.2 82.475,125.4 82.475,126.8
NetC60_1 on Component Side "NETC60_1_L01_P042" (solid, pour order 42): 84.3,118.475 84.3,119.975 84.925,120.6 85.6,120.6 90.4,125.4 129.4,125.4 144.5,110.3 151.4,110.3 151.4,101.3 109.8,101.3 109,100.5 109,88.5 108,87.5 88.85,87.5 88.85,91.1 87.6,92.35 85.05,92.35 84.3,93.1 84.3,94.9 84.875,95.475 86.075,95.475 96.975,106.375 96.975,113.25 88.675,113.25 88.55,113.375 88.55,117.625 87.95,118.225 87.9,118.225 84.625,118.225 84.35,118.5
NetC99_1 on Component Side "NETC99_1_L01_P044" (solid, pour order 44): 117.1,38.9 121.5,34.5 140.875,34.5 144.05,37.675 144.05,46.3 142.35,48 138.575,48 135.625,45.05 134.375,43.8 117.1,43.8
+5V on Component Side "+5V_L01_P046" (solid, pour order 46): 143.525,50.425 137.4,50.425 136.125,51.7 136.125,68.2 125.062,79.262 130,84.2 140.8,84.2 145.825,79.175 145.825,52.8 143.525,50.5
NetC95_1 on Component Side "NETC95_1_L01_P048" (solid, pour order 48): 134.15,59.65 132.375,61.425 127,61.425 122.35,61.425 121.65,60.725 121.65,49.7 132.35,49.7 134.15,51.5
GND on Component Side "GND_L01_P050" (solid, pour order 50): 137.5,117.8 137.5,123.3 138.9,124.7 164.1,124.7 169.7,119.1 169.7,113 167.3,110.6 144.7,110.6
+5V on Component Side "+5V_L01_P052" (solid, pour order 52): 156.1,90.2 174.333,90.2 174.333,81.833 169.5,77 126.233,77 138.933,89.7 155.6,89.7
GND on Component Side "GND_L01_P100" (solid, pour order 100): 25.756,28.7 23.756,30.7 23.756,130.2 24.756,131.2 80.006,131.2 175.806,121.45 176.256,121.257 176.256,39.291 174.256,37.7 80.006,28.7
NetC65_1 on GND "NETC65_1_L02_P010" (solid, pour order 10): 151.887,109.7 151.887,104.8 151.9,101.712 149.487,99.3 149.487,90.9 160.4,90.9 163.3,93.8 175.55,93.8 176.75,95 176.75,108.75 175.8,109.7
GND on GND "GND_L02_P096" (solid, pour order 96): 24.5,27.5 22.5,29.5 22.5,130 25,132.5 80,132.5 174.5,123 177.5,120.75 177.5,111.75 175.75,110 175.75,94 177.5,92.25 177.5,39.75 174.5,36.75 80,27.5
NetC65_1 on Power plane "NETC65_1_L03_P088" (solid, pour order 88): 151.938,109.5 151.938,105 151.95,101.913 148.9,98.862 148.9,90.7 161.202,90.7 164.502,94 173.737,94 176.5,96.762 176.5,108.438 175.438,109.5
NetQ6_S on Power plane "NETQ6_S_L03_P084" (solid, pour order 84): 141.875,98.775 147.225,98.775 148.525,97.475 148.525,93.625 147.525,92.625 147,92.1 142.35,92.1 140.8,93.65 140.8,97.7
NetC60_1 on Power plane "NETC60_1_L03_P080" (solid, pour order 80): 84.35,94.2 85.006,94.856 85.744,94.856 89.475,98.587 95.063,98.587 96.775,96.875 96.775,89.65 95.325,88.2 90.425,88.2 88.9,89.725 88.9,91.563 87.963,92.5 84.825,92.5 84.35,93
NetC60_1 on Power plane "NETC60_1_L03_P056" (solid, pour order 56): 84.25,120 84.906,120.656 85.644,120.656 89.375,124.387 94.963,124.387 96.675,122.675 96.675,115.45 95.225,114 90.325,114 88.8,115.525 88.8,117.363 87.863,118.3 84.725,118.3 84.25,118.8
VBAT1 on Power plane "VBAT1_L03_P054" (solid, pour order 54): 59.44,117.06 59.44,111.56 67.4,103.6 78.5,103.6 88.225,113.325 88.225,117.45 79.175,126.5 68.88,126.5
+5V on Power plane "+5V_L03_P094" (solid, pour order 94): 25.75,28.75 23.75,30.75 23.75,130.25 24.75,131.25 80,131.25 175.8,121.5 176.25,121.307 176.25,39.341 174.25,37.75 80,28.75
VBAT2 on Power plane "VBAT2_L03_P078" (solid, pour order 78): 59.486,94.986 59.486,88.307 60.766,87.027 86.605,87.027 88.225,88.752 88.225,91.067 87.073,92.219 84.758,92.219 83.939,93.039 83.939,97.4 78.339,103 67.5,103
VBAT2 on Solder Side "VBAT2_L04_P074" (solid, pour order 74): 61.1,92.5 62.425,93.825 82.125,93.825 83.7,92.25 87.25,92.25 88.3,91.2 88.3,88.6 85.2,85.5 64.75,85.5 61.1,89.15
GND on Solder Side "GND_L04_P086" (solid, remove dead copper, pour order 86): 27.082,28 23,32.082 23,128.692 26.308,132 80.1,132 175.2,122.5 177.195,121 177.195,38.895 175.2,36.9 81.5,28.3
VBAT1 on Solder Side "VBAT1_L04_P062" (solid, pour order 62): 59.438,118.3 60.219,119.081 77.844,119.081 78.9,118.025 87.65,118.025 88.2,117.475 88.2,113.6 87.65,112.875 60.8,112.875 59.438,114.238
+5V on Solder Side "+5V_L04_P060" (solid, pour order 60): 52,89.5 53,90.5 57.5,90.5 58.175,89.825 58.175,84.3 57.225,83.35 52,83.35
GND on Solder Side "GND_L04_P058" (solid, pour order 58): 47.65,71.825 47.65,88.2 46.65,89.2 44.35,89.2 43.175,88.025 43.175,72.025 44.45,70.75 46.6,70.75
no net on Top Solder "NONET_L02_P-001" (solid): 88.6,124.6 89.6,125.6 105.8,125.6 106.3,125.6 107.3,124.6 107.3,114 106.1,112.8 90.1,112.8 88.6,114.3 88.6,117.4 87.2,118.8 87.2,120 88.6,121.4
no net on Top Solder "NONET_L02_P-001" (solid): 88.5,98.8 89.5,99.8 105.7,99.8 106.2,99.8 107.2,98.8 107.2,88.2 106,87 90,87 88.5,88.5 88.5,91.5 87.1,92.9 87.1,94.2 88.5,95.6
no net on Bottom Solder (solid): 59.8,119.2 72.6,119.2 73.3,118.5 73.3,106.9 72.7,106.3 60,106.3 59.4,106.9 59.4,118.7 59.9,119.2
no net on Bottom Solder (solid): 60.6,100.6 73.4,100.6 74.1,99.9 74.1,88.3 73.5,87.7 60.8,87.7 60.2,88.3 60.2,100.1 60.7,100.6

## Keep-outs
GND:
  circle w0.254: c161.4,112.1 r0.552

## Silkscreen, mask and mechanical layers (free items; w line width, h text height)
Top Overlay:
  text "+" at 73.3,121.4 h4
  text "P11 : BAT1 / P12 : BAT2 / (max 17 V)" at 86.9,102.6 h1.5
  text "-" at 75.3,101.3 h4
  text "+" at 73.3,80.15 h4
  text "Avionics of RORO / Power board v1.0 / Designed by Michael Pellet / & team DUSTER  / EPFL, spring 2017 / Manufactured by Wurth Elektronik" at 150.3,74.5 h1.52 r270.22
Top Solder:
  rectangle: 157.4,99.5 175.4,107.5
Mechanical 3:
  the board outline again, w0.4

## Dimensions
21,134 to 21,26 on Mechanical 4
21,134 to 179,124 on Mechanical 4
179,36 to 80,26 on Mechanical 4
179,36 to 80,26 on Mechanical 4